# KiCad board Panel_R0.5.1_300x300_2layer_step1.kicad_pcb (continued)
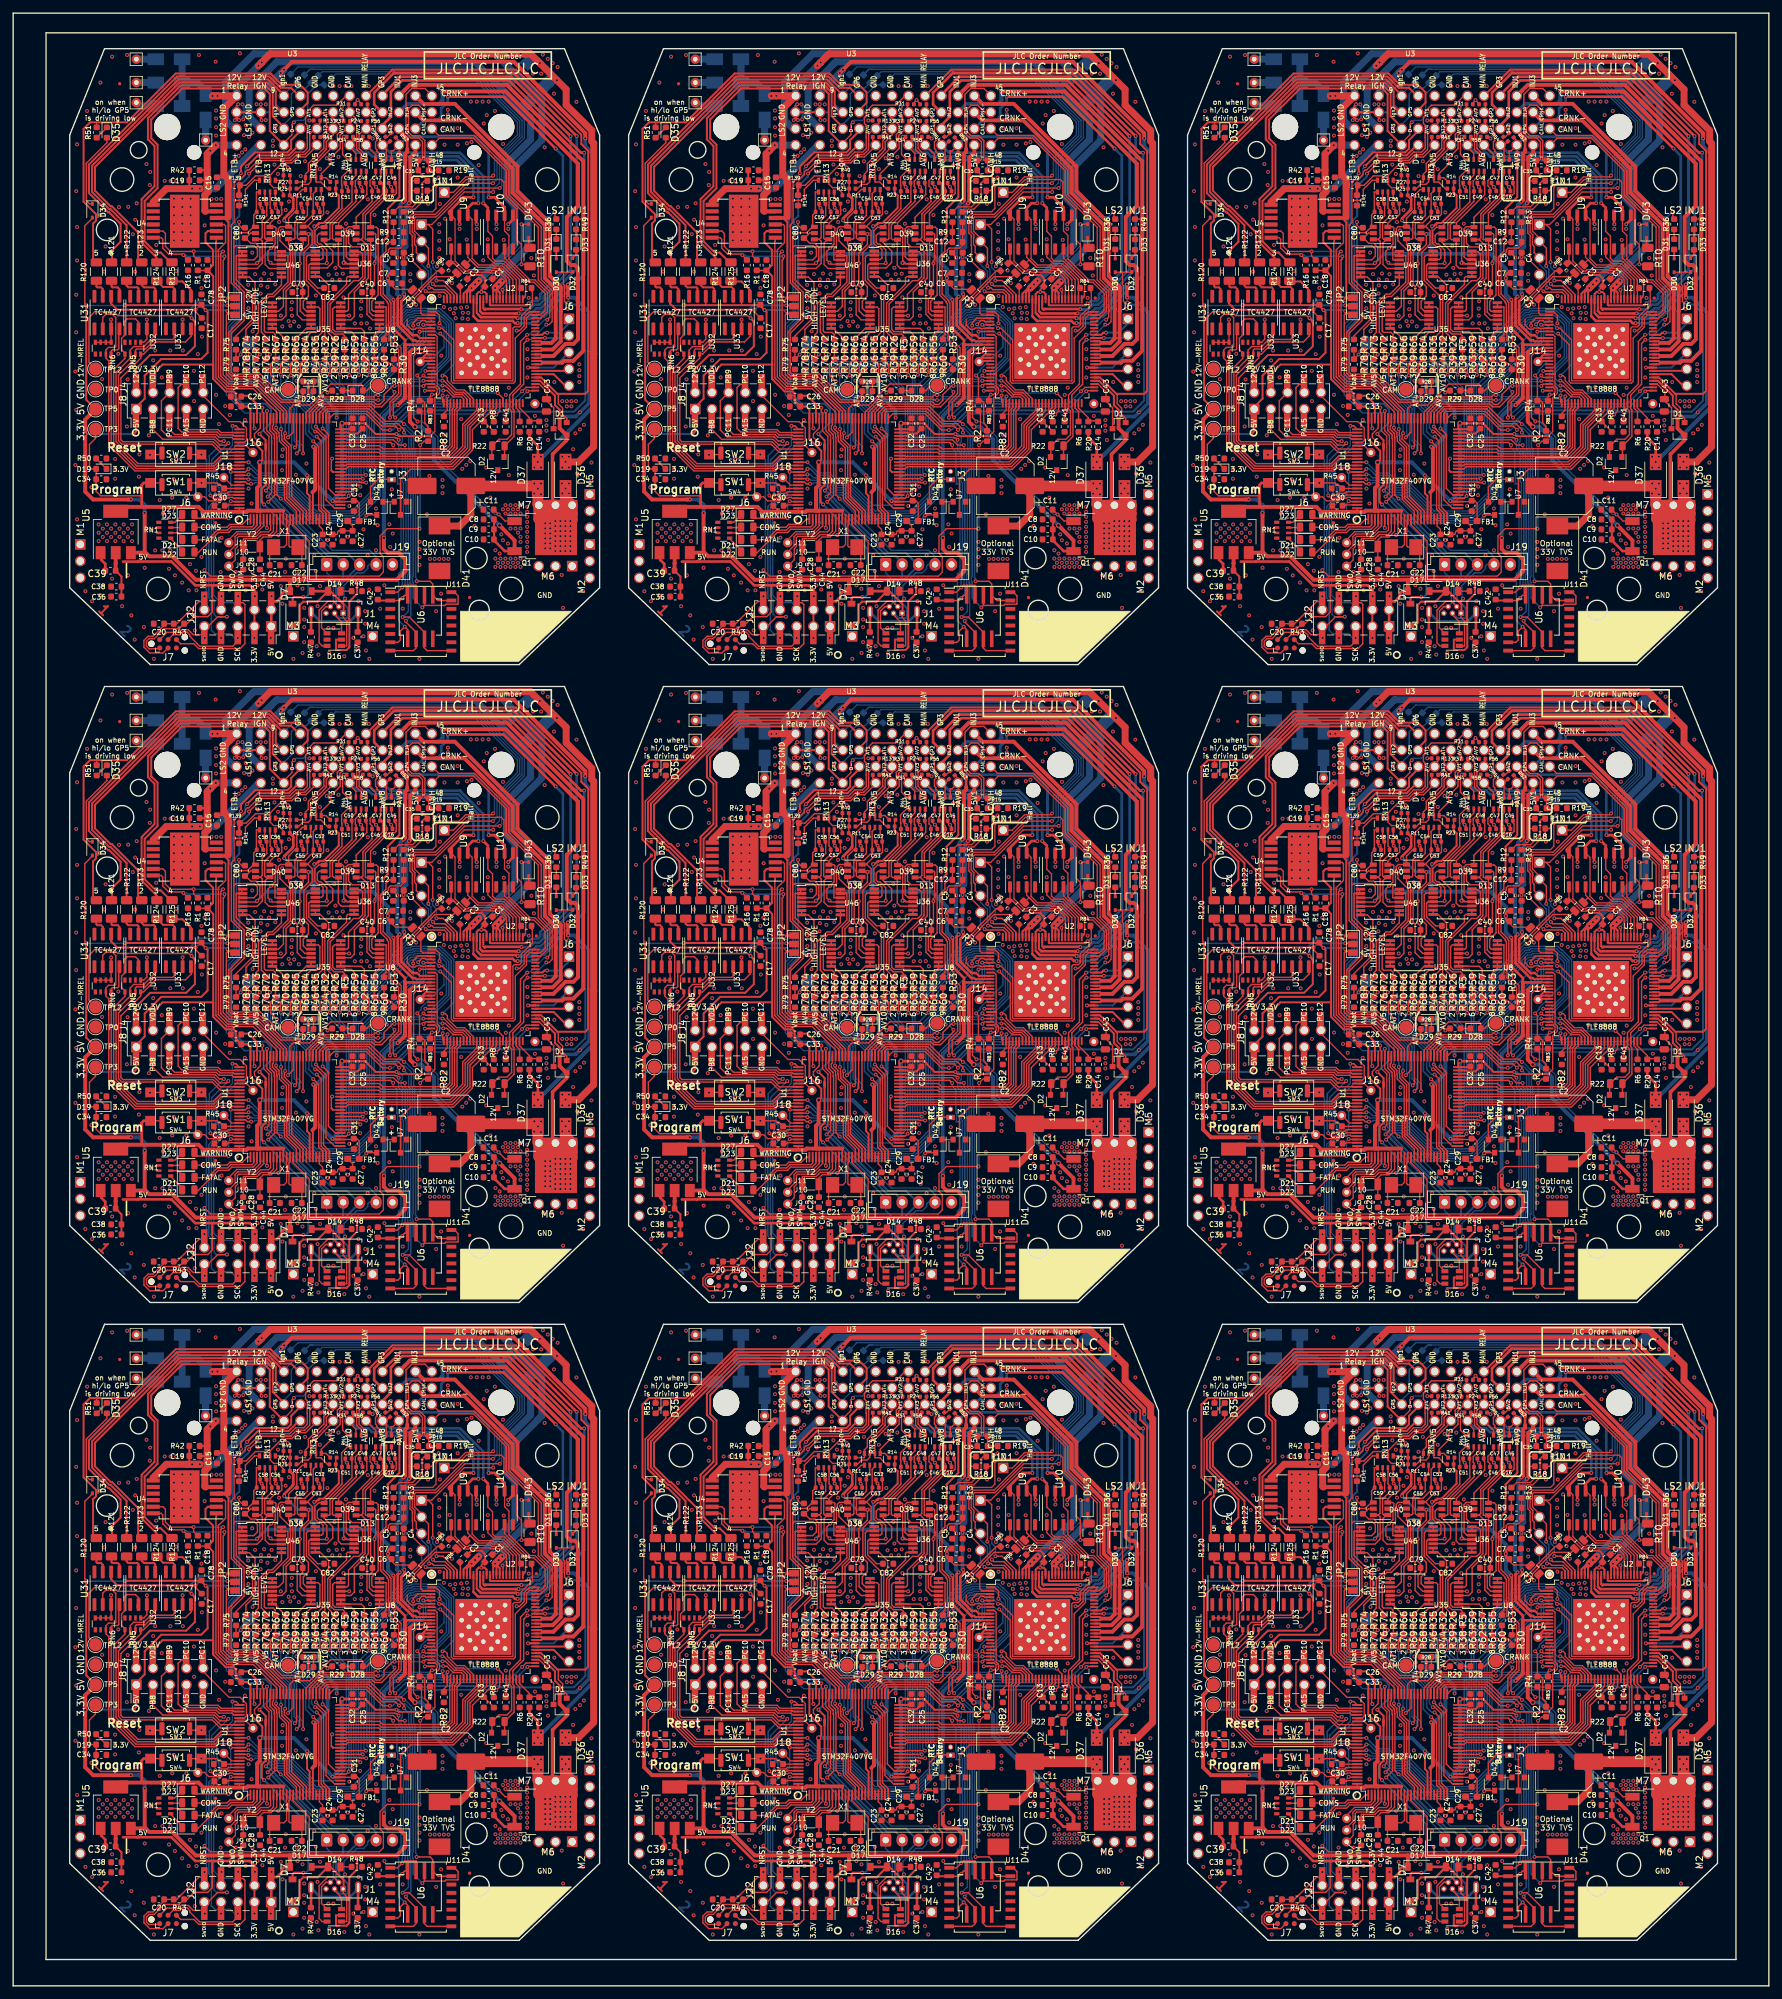
[diagram p0: board, top side]
## Routing (per net, layer and track width the routed paths; a pad name or vN(x,y) marks a point on that pad's centre or on a via; arc(x,y) is an arc through that point) (continued)
/MCU/USB_VBUS: length 546.2
  Top w0.203: v1(135.48,210.95) 135.18,210.66 135.18,210.16 135.25,210.09 ; v1(220.48,210.95) 220.18,210.66 220.18,210.16 220.25,210.09 ; v1(135.48,113.96) 135.18,113.66 135.18,113.16 135.25,113.09 ; v1(50.48,113.96) 50.18,113.66 50.18,113.16 50.25,113.09 ; v1(220.48,113.96) 220.18,113.66 220.18,113.16 220.25,113.09 ; v1(135.48,16.95) 135.18,16.66 135.18,16.16 135.25,16.09 ; 50.25,16.09 50.18,16.16 50.18,16.66 v1(50.48,16.95) ; v1(220.48,16.95) 220.18,16.66 220.18,16.16 220.25,16.09 ; v1(50.48,210.95) 50.18,210.66 50.18,210.16 50.25,210.09
  Top w0.216: J1#2.1 135.18,208.11 135.72,207.57 135.72,203.83 135.68,203.78 D16#2.4 ; NT1#2.2 125.07,235.48 125.13,235.42 125.13,226.73 v1(125.69,226.17) ; J1#3.1 220.18,208.11 220.72,207.57 220.72,203.83 220.68,203.78 D16#3.4 ; v1(210.69,226.17) 210.13,226.73 210.13,235.42 210.07,235.48 NT1#3.2 ; J1#6.1 135.18,111.11 135.72,110.57 135.72,106.83 135.68,106.78 D16#5.4 ; v1(125.69,129.17) 125.13,129.73 125.13,138.42 125.07,138.48 NT1#5.2 ; J1#4.1 50.18,111.11 50.72,110.57 50.72,106.83 50.68,106.78 D16#6.4 ; NT1#6.2 40.07,138.48 40.13,138.42 40.13,129.73 v1(40.69,129.17) ; J1#5.1 220.18,111.11 220.72,110.57 220.72,106.83 220.68,106.78 D16#4.4 ; NT1#4.2 210.07,138.48 210.13,138.42 210.13,129.73 v1(210.69,129.17) ; J1#9.1 135.18,14.11 135.72,13.57 135.72,9.83 135.68,9.78 D16#8.4 ; NT1#8.2 125.07,41.48 125.13,41.42 125.13,32.73 v1(125.69,32.17) ; J1#7.1 50.18,14.11 50.72,13.57 50.72,9.83 50.68,9.78 D16#9.4 ; v1(40.69,32.17) 40.13,32.73 40.13,41.42 40.07,41.48 NT1#9.2 ; D16#7.4 220.68,9.78 220.72,9.83 220.72,13.57 220.18,14.11 J1#8.1 ; NT1#7.2 210.07,41.48 210.13,41.42 210.13,32.73 v1(210.69,32.17) ; NT1.2 40.07,235.48 40.13,235.42 40.13,226.73 v1(40.69,226.17) ; D16.4 50.68,203.78 50.72,203.83 50.72,207.57 50.18,208.11 J1.1
  Top w0.305: 127.5,206.95 128.25,206.95 128.6,207.3 128.6,210 129.1,210.5 131.3,210.5 D14#2.2 133.25,212.1 135.25,210.09 135.25,208.82 J1#2.1 ; J1#3.1 220.25,208.82 220.25,210.09 218.25,212.1 D14#3.2 216.3,210.5 214.1,210.5 213.6,210 213.6,207.3 213.25,206.95 212.5,206.95 ; J1#6.1 135.25,111.82 135.25,113.09 133.25,115.1 D14#5.2 131.3,113.5 129.1,113.5 128.6,113 128.6,110.3 128.25,109.95 127.5,109.95 ; 42.5,109.95 43.25,109.95 43.6,110.3 43.6,113 44.1,113.5 46.3,113.5 D14#6.2 48.25,115.1 50.25,113.09 50.25,111.82 J1#4.1 ; 212.5,109.95 213.25,109.95 213.6,110.3 213.6,113 214.1,113.5 216.3,113.5 D14#4.2 218.25,115.1 220.25,113.09 220.25,111.82 J1#5.1 ; 127.5,12.95 128.25,12.95 128.6,13.3 128.6,16 129.1,16.5 131.3,16.5 D14#8.2 133.25,18.1 135.25,16.09 135.25,14.82 J1#9.1 ; 42.5,12.95 43.25,12.95 43.6,13.3 43.6,16 44.1,16.5 46.3,16.5 D14#9.2 48.25,18.1 50.25,16.09 50.25,14.82 J1#7.1 ; J1#8.1 220.25,14.82 220.25,16.09 218.25,18.1 D14#7.2 216.3,16.5 214.1,16.5 213.6,16 213.6,13.3 213.25,12.95 212.5,12.95 ; 42.5,206.95 43.25,206.95 43.6,207.3 43.6,210 44.1,210.5 46.3,210.5 D14.2 48.25,212.1 50.25,210.09 50.25,208.82 J1.1
  Top w0.406: D14#2.2 D17#2.2 ; D14#3.2 D17#3.2 ; D14#5.2 D17#6.2 ; D14#6.2 D17#4.2 ; D14#4.2 D17#5.2 ; D14#8.2 D17#9.2 ; D14#9.2 D17#7.2 ; D14#7.2 D17#8.2 ; D14.2 D17.2
  Bottom w0.203: 135.32,212.1 135.32,211.12 v1(135.48,210.95) ; 220.32,212.1 220.32,211.12 v1(220.48,210.95) ; 135.32,115.1 135.32,114.12 v1(135.48,113.96) ; 50.32,115.1 50.32,114.12 v1(50.48,113.96) ; 220.32,115.1 220.32,114.12 v1(220.48,113.96) ; 135.32,18.1 135.32,17.12 v1(135.48,16.95) ; 50.32,18.1 50.32,17.12 v1(50.48,16.95) ; 220.32,18.1 220.32,17.12 v1(220.48,16.95) ; v1(50.48,210.95) 50.32,211.12 50.32,212.1
  Bottom w0.216: v1(125.69,226.17) 133.54,218.32 139.22,218.32 140.19,217.35 J19#2.4 139.17,216.16 138.91,215.91 138.91,215.53 138.28,214.89 137.26,214.89 135.32,212.95 135.32,212.1 ; v1(210.69,226.17) 218.54,218.32 224.22,218.32 225.19,217.35 J19#3.4 224.17,216.16 223.91,215.91 223.91,215.53 223.28,214.89 222.26,214.89 220.32,212.95 220.32,212.1 ; v1(125.69,129.17) 133.54,121.32 139.22,121.32 140.19,120.35 J19#6.4 139.17,119.16 138.91,118.91 138.91,118.53 138.28,117.89 137.26,117.89 135.32,115.95 135.32,115.1 ; v1(40.69,129.17) 48.54,121.32 54.22,121.32 55.19,120.35 J19#4.4 54.17,119.16 53.91,118.91 53.91,118.53 53.28,117.89 52.26,117.89 50.32,115.95 50.32,115.1 ; 220.32,115.1 220.32,115.95 222.26,117.89 223.28,117.89 223.91,118.53 223.91,118.91 224.17,119.16 J19#5.4 225.19,120.35 224.22,121.32 218.54,121.32 v1(210.69,129.17) ; v1(125.69,32.17) 133.54,24.32 139.22,24.32 140.19,23.35 J19#9.4 139.17,22.16 138.91,21.91 138.91,21.53 138.28,20.89 137.26,20.89 135.32,18.95 135.32,18.1 ; v1(40.69,32.17) 48.54,24.32 54.22,24.32 55.19,23.35 J19#7.4 54.17,22.16 53.91,21.91 53.91,21.53 53.28,20.89 52.26,20.89 50.32,18.95 50.32,18.1 ; v1(210.69,32.17) 218.54,24.32 224.22,24.32 225.19,23.35 J19#8.4 224.17,22.16 223.91,21.91 223.91,21.53 223.28,20.89 222.26,20.89 220.32,18.95 220.32,18.1 ; v1(40.69,226.17) 48.54,218.32 54.22,218.32 55.19,217.35 J19.4 54.17,216.16 53.91,215.91 53.91,215.53 53.28,214.89 52.26,214.89 50.32,212.95 50.32,212.1
/MCU/Vrtc: length 52.7
  Top w0.216: D42#2.2 139.35,227.95 140.52,229.12 142.47,229.12 ; D42#3.2 224.35,227.95 225.52,229.12 227.47,229.12 ; D42#5.2 224.35,130.95 225.52,132.12 227.47,132.12 ; D42#4.2 54.35,130.95 55.52,132.12 57.47,132.12 ; D42#6.2 139.35,130.95 140.52,132.12 142.47,132.12 ; 57.47,35.12 55.52,35.12 54.35,33.95 D42#7.2 ; 142.47,35.12 140.52,35.12 139.35,33.95 D42#9.2 ; D42#8.2 224.35,33.95 225.52,35.12 227.47,35.12 ; D42.2 54.35,227.95 55.52,229.12 57.47,229.12
/MCU/Vrtcc: length 256.3
  Top w0.216: v1(138.7,223.61) 138.79,223.7 D42#2.3 ; U1#2.6 123.59,221.71 v1(123.6,221.7) ; v1(208.6,221.7) 208.59,221.71 U1#3.6 ; v1(223.7,223.61) 223.79,223.7 D42#3.3 ; v1(208.6,124.7) 208.59,124.71 U1#5.6 ; v1(223.7,126.61) 223.79,126.7 D42#5.3 ; v1(53.7,126.61) 53.79,126.7 D42#4.3 ; U1#4.6 38.59,124.71 v1(38.6,124.7) ; v1(123.6,124.7) 123.59,124.71 U1#6.6 ; v1(138.7,126.61) 138.79,126.7 D42#6.3 ; v1(38.6,27.7) 38.59,27.71 U1#7.6 ; v1(53.7,29.61) 53.79,29.7 D42#7.3 ; v1(138.7,29.61) 138.79,29.7 D42#9.3 ; v1(123.6,27.7) 123.59,27.71 U1#9.6 ; v1(208.6,27.7) 208.59,27.71 U1#8.6 ; D42#8.3 223.79,29.7 v1(223.7,29.61) ; D42.3 53.79,223.7 v1(53.7,223.61) ; U1.6 38.59,221.71 v1(38.6,221.7)
  Bottom w0.216: v1(138.7,223.61) 137.53,222.45 130.33,222.45 126.05,226.73 124.9,226.73 123.53,228.1 123,228.1 122.6,227.7 122.6,222.7 v1(123.6,221.7) ; v1(223.7,223.61) 222.53,222.45 215.33,222.45 211.05,226.73 209.9,226.73 208.53,228.1 208,228.1 207.6,227.7 207.6,222.7 v1(208.6,221.7) ; v1(208.6,124.7) 207.6,125.7 207.6,130.7 208,131.1 208.53,131.1 209.9,129.73 211.05,129.73 215.33,125.45 222.53,125.45 v1(223.7,126.61) ; v1(53.7,126.61) 52.53,125.45 45.33,125.45 41.05,129.73 39.9,129.73 38.53,131.1 38,131.1 37.6,130.7 37.6,125.7 v1(38.6,124.7) ; v1(138.7,126.61) 137.53,125.45 130.33,125.45 126.05,129.73 124.9,129.73 123.53,131.1 123,131.1 122.6,130.7 122.6,125.7 v1(123.6,124.7) ; v1(38.6,27.7) 37.6,28.7 37.6,33.7 38,34.1 38.53,34.1 39.9,32.73 41.05,32.73 45.33,28.45 52.53,28.45 v1(53.7,29.61) ; v1(138.7,29.61) 137.53,28.45 130.33,28.45 126.05,32.73 124.9,32.73 123.53,34.1 123,34.1 122.6,33.7 122.6,28.7 v1(123.6,27.7) ; v1(208.6,27.7) 207.6,28.7 207.6,33.7 208,34.1 208.53,34.1 209.9,32.73 211.05,32.73 215.33,28.45 222.53,28.45 v1(223.7,29.61) ; v1(53.7,223.61) 52.53,222.45 45.33,222.45 41.05,226.73 39.9,226.73 38.53,228.1 38,228.1 37.6,227.7 37.6,222.7 v1(38.6,221.7)
/PA15: length 90.9
  Top w0.216: U1#2.77 116.63,236.22 116.18,236.66 111.36,236.66 111.3,236.71 J4#2.7 ; U1#3.77 201.63,236.22 201.18,236.66 196.36,236.66 196.3,236.71 J4#3.7 ; U1#5.77 201.63,139.22 201.18,139.66 196.36,139.66 196.3,139.71 J4#5.7 ; U1#4.77 31.63,139.22 31.18,139.66 26.36,139.66 26.3,139.71 J4#4.7 ; U1#6.77 116.63,139.22 116.18,139.66 111.36,139.66 111.3,139.71 J4#6.7 ; J4#7.7 26.3,42.71 26.36,42.66 31.18,42.66 31.63,42.22 U1#7.77 ; U1#9.77 116.63,42.22 116.18,42.66 111.36,42.66 111.3,42.71 J4#9.7 ; U1#8.77 201.63,42.22 201.18,42.66 196.36,42.66 196.3,42.71 J4#8.7 ; J4.7 26.3,236.71 26.36,236.66 31.18,236.66 31.63,236.22 U1.77
/PB8: length 246.6
  Top w0.216: J4#2.3 106.22,236.71 107.75,235.19 115.57,235.19 116.45,234.3 117.43,234.3 v1(117.73,234.6) ; v1(115.75,226.75) 116.17,226.75 116.4,226.98 117.51,226.98 117.74,227.22 U1#2.95 ; J4#3.3 191.22,236.71 192.75,235.19 200.57,235.19 201.45,234.3 202.43,234.3 v1(202.73,234.6) ; U1#3.95 202.74,227.22 202.51,226.98 201.4,226.98 201.17,226.75 v1(200.75,226.75) ; J4#5.3 191.22,139.71 192.75,138.19 200.57,138.19 201.45,137.3 202.43,137.3 v1(202.73,137.6) ; v1(200.75,129.75) 201.17,129.75 201.4,129.98 202.51,129.98 202.74,130.22 U1#5.95 ; J4#4.3 21.22,139.71 22.75,138.19 30.57,138.19 31.45,137.3 32.43,137.3 v1(32.73,137.6) ; v1(30.75,129.75) 31.17,129.75 31.4,129.98 32.51,129.98 32.74,130.22 U1#4.95 ; J4#6.3 106.22,139.71 107.75,138.19 115.57,138.19 116.45,137.3 117.43,137.3 v1(117.73,137.6) ; U1#6.95 117.74,130.22 117.51,129.98 116.4,129.98 116.17,129.75 v1(115.75,129.75) ; J4#7.3 21.22,42.71 22.75,41.19 30.57,41.19 31.45,40.3 32.43,40.3 v1(32.73,40.6) ; U1#7.95 32.74,33.22 32.51,32.98 31.4,32.98 31.17,32.75 v1(30.75,32.75) ; J4#9.3 106.22,42.71 107.75,41.19 115.57,41.19 116.45,40.3 117.43,40.3 v1(117.73,40.6) ; U1#9.95 117.74,33.22 117.51,32.98 116.4,32.98 116.17,32.75 v1(115.75,32.75) ; U1#8.95 202.74,33.22 202.51,32.98 201.4,32.98 201.17,32.75 v1(200.75,32.75) ; J4#8.3 191.22,42.71 192.75,41.19 200.57,41.19 201.45,40.3 202.43,40.3 v1(202.73,40.6) ; U1.95 32.74,227.22 32.51,226.98 31.4,226.98 31.17,226.75 v1(30.75,226.75) ; J4.3 21.22,236.71 22.75,235.19 30.57,235.19 31.45,234.3 32.43,234.3 v1(32.73,234.6)
  Bottom w0.216: v1(117.73,234.6) 115.19,232.07 115.19,227.74 115.75,227.18 v1(115.75,226.75) ; v1(200.75,226.75) 200.75,227.18 200.19,227.74 200.19,232.07 v1(202.73,234.6) ; v1(200.75,129.75) 200.75,130.18 200.19,130.74 200.19,135.07 v1(202.73,137.6) ; v1(32.73,137.6) 30.19,135.07 30.19,130.74 30.75,130.18 v1(30.75,129.75) ; v1(115.75,129.75) 115.75,130.18 115.19,130.74 115.19,135.07 v1(117.73,137.6) ; v1(30.75,32.75) 30.75,33.18 30.19,33.74 30.19,38.07 v1(32.73,40.6) ; v1(115.75,32.75) 115.75,33.18 115.19,33.74 115.19,38.07 v1(117.73,40.6) ; v1(200.75,32.75) 200.75,33.18 200.19,33.74 200.19,38.07 v1(202.73,40.6) ; v1(32.73,234.6) 30.19,232.07 30.19,227.74 30.75,227.18 v1(30.75,226.75)
/PB9: length 302.2
  Top w0.203: 108.81,242.32 108.76,242.37 J4#2.6 ; 193.81,242.32 193.76,242.37 J4#3.6 ; J4#5.6 193.76,145.37 193.81,145.32 ; 23.81,145.32 23.76,145.37 J4#4.6 ; 108.81,145.32 108.76,145.37 J4#6.6 ; J4#7.6 23.76,48.37 23.81,48.32 ; 108.81,48.32 108.76,48.37 J4#9.6 ; J4#8.6 193.76,48.37 193.81,48.32 ; 23.81,242.32 23.76,242.37 J4.6
  Top w0.216: U1#2.96 118.61,226.72 118.6,226.73 117.78,226.73 117.66,226.61 116.85,226.61 116.43,226.19 115.47,226.19 v1(115,226.66) ; 108.82,243.5 108.82,241.7 ; v1(117.04,234.92) 116.36,234.92 115.72,235.55 108.6,235.55 107.54,236.61 107.54,241.05 108.81,242.32 ; U1#3.96 203.61,226.72 203.6,226.73 202.78,226.73 202.66,226.61 201.85,226.61 201.43,226.19 200.47,226.19 v1(200,226.66) ; 193.81,242.32 192.54,241.05 192.54,236.61 193.6,235.55 200.72,235.55 201.36,234.92 v1(202.04,234.92) ; 193.82,243.5 193.82,241.7 ; U1#5.96 203.61,129.72 203.6,129.73 202.78,129.73 202.66,129.61 201.85,129.61 201.43,129.19 200.47,129.19 v1(200,129.66) ; 193.82,146.5 193.82,144.7 ; v1(202.04,137.92) 201.36,137.92 200.72,138.55 193.6,138.55 192.54,139.61 192.54,144.05 193.81,145.32 ; U1#4.96 33.61,129.72 33.6,129.73 32.78,129.73 32.66,129.61 31.85,129.61 31.43,129.19 30.47,129.19 v1(30,129.66) ; 23.82,146.5 23.82,144.7 ; v1(32.04,137.92) 31.36,137.92 30.72,138.55 23.6,138.55 22.54,139.61 22.54,144.05 23.81,145.32 ; U1#6.96 118.61,129.72 118.6,129.73 117.78,129.73 117.66,129.61 116.85,129.61 116.43,129.19 115.47,129.19 v1(115,129.66) ; 108.81,145.32 107.54,144.05 107.54,139.61 108.6,138.55 115.72,138.55 116.36,137.92 v1(117.04,137.92) ; 108.82,146.5 108.82,144.7 ; U1#7.96 33.61,32.72 33.6,32.73 32.78,32.73 32.66,32.61 31.85,32.61 31.43,32.19 30.47,32.19 v1(30,32.66) ; 23.81,48.32 22.54,47.05 22.54,42.61 23.6,41.55 30.72,41.55 31.36,40.92 v1(32.04,40.92) ; 23.82,49.5 23.82,47.7 ; U1#9.96 118.61,32.72 118.6,32.73 117.78,32.73 117.66,32.61 116.85,32.61 116.43,32.19 115.47,32.19 v1(115,32.66) ; 108.81,48.32 107.54,47.05 107.54,42.61 108.6,41.55 115.72,41.55 116.36,40.92 v1(117.04,40.92) ; 108.82,49.5 108.82,47.7 ; U1#8.96 203.61,32.72 203.6,32.73 202.78,32.73 202.66,32.61 201.85,32.61 201.43,32.19 200.47,32.19 v1(200,32.66) ; 193.82,49.5 193.82,47.7 ; v1(202.04,40.92) 201.36,40.92 200.72,41.55 193.6,41.55 192.54,42.61 192.54,47.05 193.81,48.32 ; 23.81,242.32 22.54,241.05 22.54,236.61 23.6,235.55 30.72,235.55 31.36,234.92 v1(32.04,234.92) ; U1.96 33.61,226.72 33.6,226.73 32.78,226.73 32.66,226.61 31.85,226.61 31.43,226.19 30.47,226.19 v1(30,226.66) ; 23.82,243.5 23.82,241.7
  Bottom w0.216: v1(117.04,234.92) 114.82,232.7 114.82,227.26 115,227.08 v1(115,226.66) ; v1(200,226.66) 200,227.08 199.82,227.26 199.82,232.7 v1(202.04,234.92) ; v1(200,129.66) 200,130.08 199.82,130.26 199.82,135.7 v1(202.04,137.92) ; v1(32.04,137.92) 29.82,135.7 29.82,130.26 30,130.08 v1(30,129.66) ; v1(115,129.66) 115,130.08 114.82,130.26 114.82,135.7 v1(117.04,137.92) ; v1(30,32.66) 30,33.08 29.82,33.26 29.82,38.7 v1(32.04,40.92) ; v1(115,32.66) 115,33.08 114.82,33.26 114.82,38.7 v1(117.04,40.92) ; v1(200,32.66) 200,33.08 199.82,33.26 199.82,38.7 v1(202.04,40.92) ; v1(30,226.66) 30,227.08 29.82,227.26 29.82,232.7 v1(32.04,234.92)
/PC10: length 156.8
  Top w0.216: U1#2.78 118.61,235.72 118.48,235.85 116.47,235.85 116.03,236.29 110.66,236.29 110.08,236.86 110.08,243.05 110.59,243.55 J4#2.8 ; U1#3.78 203.61,235.72 203.48,235.85 201.47,235.85 201.03,236.29 195.66,236.29 195.08,236.86 195.08,243.05 195.59,243.55 J4#3.8 ; U1#5.78 203.61,138.72 203.48,138.85 201.47,138.85 201.03,139.29 195.66,139.29 195.08,139.86 195.08,146.05 195.59,146.55 J4#5.8 ; U1#4.78 33.61,138.72 33.48,138.85 31.47,138.85 31.03,139.29 25.66,139.29 25.08,139.86 25.08,146.05 25.59,146.55 J4#4.8 ; U1#6.78 118.61,138.72 118.48,138.85 116.47,138.85 116.03,139.29 110.66,139.29 110.08,139.86 110.08,146.05 110.59,146.55 J4#6.8 ; U1#7.78 33.61,41.72 33.48,41.85 31.47,41.85 31.03,42.29 25.66,42.29 25.08,42.86 25.08,49.05 25.59,49.55 J4#7.8 ; U1#9.78 118.61,41.72 118.48,41.85 116.47,41.85 116.03,42.29 110.66,42.29 110.08,42.86 110.08,49.05 110.59,49.55 J4#9.8 ; U1#8.78 203.61,41.72 203.48,41.85 201.47,41.85 201.03,42.29 195.66,42.29 195.08,42.86 195.08,49.05 195.59,49.55 J4#8.8 ; U1.78 33.61,235.72 33.48,235.85 31.47,235.85 31.03,236.29 25.66,236.29 25.08,236.86 25.08,243.05 25.59,243.55 J4.8
/PC11: length 117.5
  Top w0.216: J4#2.5 108.76,236.71 109.55,235.92 115.88,235.92 116.32,235.48 118.28,235.48 118.54,235.22 U1#2.79 ; U1#3.79 203.54,235.22 203.28,235.48 201.32,235.48 200.88,235.92 194.55,235.92 193.76,236.71 J4#3.5 ; J4#5.5 193.76,139.71 194.55,138.92 200.88,138.92 201.32,138.48 203.28,138.48 203.54,138.22 U1#5.79 ; J4#4.5 23.76,139.71 24.55,138.92 30.88,138.92 31.32,138.48 33.28,138.48 33.54,138.22 U1#4.79 ; U1#6.79 118.54,138.22 118.28,138.48 116.32,138.48 115.88,138.92 109.55,138.92 108.76,139.71 J4#6.5 ; U1#7.79 33.54,41.22 33.28,41.48 31.32,41.48 30.88,41.92 24.55,41.92 23.76,42.71 J4#7.5 ; J4#9.5 108.76,42.71 109.55,41.92 115.88,41.92 116.32,41.48 118.28,41.48 118.54,41.22 U1#9.79 ; U1#8.79 203.54,41.22 203.28,41.48 201.32,41.48 200.88,41.92 194.55,41.92 193.76,42.71 J4#8.5 ; U1.79 33.54,235.22 33.28,235.48 31.32,235.48 30.88,235.92 24.55,235.92 23.76,236.71 J4.5
/PC12: length 121.1
  Top w0.203: J4#2.10 113.84,242.37 113.89,242.32 113.89,241.82 117.83,237.88 119.51,237.88 120.47,236.93 120.47,235 120.18,234.72 U1#2.80 ; J4#3.10 198.84,242.37 198.89,242.32 198.89,241.82 202.83,237.88 204.51,237.88 205.47,236.93 205.47,235 205.18,234.72 U1#3.80 ; U1#5.80 205.18,137.72 205.47,138 205.47,139.93 204.51,140.88 202.83,140.88 198.89,144.82 198.89,145.32 198.84,145.37 J4#5.10 ; J4#4.10 28.84,145.37 28.89,145.32 28.89,144.82 32.83,140.88 34.51,140.88 35.47,139.93 35.47,138 35.18,137.72 U1#4.80 ; J4#6.10 113.84,145.37 113.89,145.32 113.89,144.82 117.83,140.88 119.51,140.88 120.47,139.93 120.47,138 120.18,137.72 U1#6.80 ; J4#7.10 28.84,48.37 28.89,48.32 28.89,47.82 32.83,43.88 34.51,43.88 35.47,42.93 35.47,41 35.18,40.72 U1#7.80 ; J4#9.10 113.84,48.37 113.89,48.32 113.89,47.82 117.83,43.88 119.51,43.88 120.47,42.93 120.47,41 120.18,40.72 U1#9.80 ; U1#8.80 205.18,40.72 205.47,41 205.47,42.93 204.51,43.88 202.83,43.88 198.89,47.82 198.89,48.32 198.84,48.37 J4#8.10 ; U1.80 35.18,234.72 35.47,235 35.47,236.93 34.51,237.88 32.83,237.88 28.89,241.82 28.89,242.32 28.84,242.37 J4.10
/PD12: length 596.4
  Top w0.203: v1(150.4,242.62) 150.97,242.62 151.95,241.64 153.18,241.64 153.5,241.32 U2#2.32 ; v1(235.4,242.62) 235.97,242.62 236.95,241.64 238.18,241.64 238.5,241.32 U2#3.32 ; v1(235.4,145.62) 235.97,145.62 236.95,144.64 238.18,144.64 238.5,144.32 U2#5.32 ; v1(65.4,145.62) 65.97,145.62 66.95,144.64 68.18,144.64 68.5,144.32 U2#4.32 ; v1(150.4,145.62) 150.97,145.62 151.95,144.64 153.18,144.64 153.5,144.32 U2#6.32 ; U2#7.32 68.5,47.32 68.18,47.64 66.95,47.64 65.97,48.62 v1(65.4,48.62) ; v1(150.4,48.62) 150.97,48.62 151.95,47.64 153.18,47.64 153.5,47.32 U2#9.32 ; v1(235.4,48.62) 235.97,48.62 236.95,47.64 238.18,47.64 238.5,47.32 U2#8.32 ; U2.32 68.5,241.32 68.18,241.64 66.95,241.64 65.97,242.62 v1(65.4,242.62)
  Top w0.216: U1#2.59 129.09,233.05 v1(129.09,233.05) ; v1(214.09,233.05) 214.09,233.05 U1#3.59 ; v1(214.09,136.05) 214.09,136.05 U1#5.59 ; U1#4.59 44.09,136.05 v1(44.09,136.05) ; v1(129.09,136.05) 129.09,136.05 U1#6.59 ; v1(44.09,39.05) 44.09,39.05 U1#7.59 ; v1(129.09,39.05) 129.09,39.05 U1#9.59 ; v1(214.09,39.05) 214.09,39.05 U1#8.59 ; v1(44.09,233.05) 44.09,233.05 U1.59
  Bottom w0.203: 128.1,239.7 128.1,239.7 128.1,235.13 129.09,234.14 129.09,233.84 ; 214.09,233.84 214.09,234.14 213.1,235.13 213.1,239.7 213.1,239.7 ; 214.09,136.84 214.09,137.14 213.1,138.13 213.1,142.7 213.1,142.7 ; 43.1,142.7 43.1,142.7 43.1,138.13 44.09,137.14 44.09,136.84 ; 129.09,136.84 129.09,137.14 128.1,138.13 128.1,142.7 128.1,142.7 ; 43.1,45.7 43.1,45.7 43.1,41.13 44.09,40.14 44.09,39.84 ; 129.09,39.84 129.09,40.14 128.1,41.13 128.1,45.7 128.1,45.7 ; 214.09,39.84 214.09,40.14 213.1,41.13 213.1,45.7 213.1,45.7 ; 43.1,239.7 43.1,239.7 43.1,235.13 44.09,234.14 44.09,233.84
  Bottom w0.216: 128.1,239.7 128.1,240.03 124.53,243.6 124.53,245.1 125.7,246.28 138.17,246.28 144.46,252.56 144.46,252.94 145.29,253.77 145.87,253.77 146.1,253.99 149.41,253.99 150,253.4 150.11,253.4 150.88,252.63 150.88,247.76 148.67,245.54 148.67,243.93 149.98,242.62 v1(150.4,242.62) ; v1(129.09,233.05) 129.09,233.84 ; v1(235.4,242.62) 234.98,242.62 233.67,243.93 233.67,245.54 235.88,247.76 235.88,252.63 235.11,253.4 235,253.4 234.41,253.99 231.1,253.99 230.87,253.77 230.29,253.77 229.46,252.94 229.46,252.56 223.17,246.28 210.7,246.28 209.53,245.1 209.53,243.6 213.1,240.03 213.1,239.7 ; v1(214.09,233.05) 214.09,233.84 ; 213.1,142.7 213.1,143.03 209.53,146.6 209.53,148.1 210.7,149.28 223.17,149.28 229.46,155.56 229.46,155.94 230.29,156.77 230.87,156.77 231.1,156.99 234.41,156.99 235,156.4 235.11,156.4 235.88,155.63 235.88,150.76 233.67,148.54 233.67,146.93 234.98,145.62 v1(235.4,145.62) ; v1(214.09,136.05) 214.09,136.84 ; 43.1,142.7 43.1,143.03 39.53,146.6 39.53,148.1 40.7,149.28 53.17,149.28 59.46,155.56 59.46,155.94 60.29,156.77 60.87,156.77 61.1,156.99 64.41,156.99 65,156.4 65.11,156.4 65.88,155.63 65.88,150.76 63.67,148.54 63.67,146.93 64.98,145.62 v1(65.4,145.62) ; v1(44.09,136.05) 44.09,136.84 ; v1(150.4,145.62) 149.98,145.62 148.67,146.93 148.67,148.54 150.88,150.76 150.88,155.63 150.11,156.4 150,156.4 149.41,156.99 146.1,156.99 145.87,156.77 145.29,156.77 144.46,155.94 144.46,155.56 138.17,149.28 125.7,149.28 124.53,148.1 124.53,146.6 128.1,143.03 128.1,142.7 ; v1(129.09,136.05) 129.09,136.84 ; v1(65.4,48.62) 64.98,48.62 63.67,49.93 63.67,51.54 65.88,53.76 65.88,58.63 65.11,59.4 65,59.4 64.41,59.99 61.1,59.99 60.87,59.77 60.29,59.77 59.46,58.94 59.46,58.56 53.17,52.27 40.7,52.27 39.53,51.1 39.53,49.6 43.1,46.03 43.1,45.7 ; v1(44.09,39.05) 44.09,39.84 ; v1(150.4,48.62) 149.98,48.62 148.67,49.93 148.67,51.54 150.88,53.76 150.88,58.63 150.11,59.4 150,59.4 149.41,59.99 146.1,59.99 145.87,59.77 145.29,59.77 144.46,58.94 144.46,58.56 138.17,52.27 125.7,52.27 124.53,51.1 124.53,49.6 128.1,46.03 128.1,45.7 ; v1(129.09,39.05) 129.09,39.84 ; 213.1,45.7 213.1,46.03 209.53,49.6 209.53,51.1 210.7,52.27 223.17,52.27 229.46,58.56 229.46,58.94 230.29,59.77 230.87,59.77 231.1,59.99 234.41,59.99 235,59.4 235.11,59.4 235.88,58.63 235.88,53.76 233.67,51.54 233.67,49.93 234.98,48.62 v1(235.4,48.62) ; v1(214.09,39.05) 214.09,39.84 ; 43.1,239.7 43.1,240.03 39.53,243.6 39.53,245.1 40.7,246.28 53.17,246.28 59.46,252.56 59.46,252.94 60.29,253.77 60.87,253.77 61.1,253.99 64.41,253.99 65,253.4 65.11,253.4 65.88,252.63 65.88,247.76 63.67,245.54 63.67,243.93 64.98,242.62 v1(65.4,242.62) ; v1(44.09,233.05) 44.09,233.84
/PD13: length 608.3
  Top w0.203: v1(150.3,243.36) 150.73,243.36 152.09,241.99 153.34,241.99 154,241.33 U2#2.33 ; v1(235.3,243.36) 235.73,243.36 237.09,241.99 238.34,241.99 239,241.33 U2#3.33 ; U2#5.33 239,144.33 238.34,144.99 237.09,144.99 235.73,146.36 v1(235.3,146.36) ; v1(65.3,146.36) 65.73,146.36 67.09,144.99 68.34,144.99 69,144.33 U2#4.33 ; v1(150.3,146.36) 150.73,146.36 152.09,144.99 153.34,144.99 154,144.33 U2#6.33 ; U2#7.33 69,47.33 68.34,47.99 67.09,47.99 65.73,49.36 v1(65.3,49.36) ; v1(150.3,49.36) 150.73,49.36 152.09,47.99 153.34,47.99 154,47.33 U2#9.33 ; U2#8.33 239,47.33 238.34,47.99 237.09,47.99 235.73,49.36 v1(235.3,49.36) ; v1(65.3,243.36) 65.73,243.36 67.09,241.99 68.34,241.99 69,241.33 U2.33
  Top w0.216: v1(128.12,233.05) 128.59,233.52 U1#2.60 ; U1#3.60 213.59,233.52 v1(213.12,233.05) ; U1#5.60 213.59,136.52 v1(213.12,136.05) ; v1(43.12,136.05) 43.59,136.52 U1#4.60 ; U1#6.60 128.59,136.52 v1(128.12,136.05) ; U1#7.60 43.59,39.52 v1(43.12,39.05) ; U1#9.60 128.59,39.52 v1(128.12,39.05) ; U1#8.60 213.59,39.52 v1(213.12,39.05) ; v1(43.12,233.05) 43.59,233.52 U1.60
  Bottom w0.203: 127.74,239.09 127.74,239.86 126.83,240.77 126.83,240.77 ; 212.74,239.09 212.74,239.86 211.83,240.77 211.83,240.77 ; 211.83,143.77 211.83,143.77 212.74,142.86 212.74,142.09 ; 42.74,142.09 42.74,142.86 41.83,143.77 41.83,143.77 ; 127.74,142.09 127.74,142.86 126.83,143.77 126.83,143.77 ; 42.74,45.09 42.74,45.86 41.83,46.77 41.83,46.77 ; 127.74,45.09 127.74,45.86 126.83,46.77 126.83,46.77 ; 212.74,45.09 212.74,45.86 211.83,46.77 211.83,46.77 ; 41.83,240.77 41.83,240.77 42.74,239.86 42.74,239.09
  Bottom w0.216: 126.83,240.77 124.16,243.45 124.16,245.28 125.52,246.64 138.02,246.64 144.09,252.72 144.09,253.09 145.14,254.14 145.72,254.14 145.94,254.36 149.56,254.36 150.16,253.77 150.26,253.77 151.25,252.78 151.25,247.6 149.13,245.48 149.13,244.1 149.87,243.36 v1(150.3,243.36) ; 127.74,239.09 127.74,234.96 128.42,234.28 128.42,233.35 v1(128.12,233.05) ; 211.83,240.77 209.16,243.45 209.16,245.28 210.52,246.64 223.02,246.64 229.09,252.72 229.09,253.09 230.14,254.14 230.72,254.14 230.94,254.36 234.56,254.36 235.16,253.77 235.26,253.77 236.25,252.78 236.25,247.6 234.13,245.48 234.13,244.1 234.87,243.36 v1(235.3,243.36) ; 212.74,239.09 212.74,234.96 213.42,234.28 213.42,233.35 v1(213.12,233.05) ; 211.83,143.77 209.16,146.45 209.16,148.28 210.52,149.64 223.02,149.64 229.09,155.72 229.09,156.09 230.14,157.14 230.72,157.14 230.94,157.36 234.56,157.36 235.16,156.77 235.26,156.77 236.25,155.78 236.25,150.6 234.13,148.48 234.13,147.1 234.87,146.36 v1(235.3,146.36) ; 212.74,142.09 212.74,137.96 213.42,137.28 213.42,136.35 v1(213.12,136.05) ; 41.83,143.77 39.16,146.45 39.16,148.28 40.52,149.64 53.02,149.64 59.09,155.72 59.09,156.09 60.14,157.14 60.72,157.14 60.94,157.36 64.56,157.36 65.16,156.77 65.26,156.77 66.25,155.78 66.25,150.6 64.13,148.48 64.13,147.1 64.87,146.36 v1(65.3,146.36) ; 42.74,142.09 42.74,137.96 43.42,137.28 43.42,136.35 v1(43.12,136.05) ; 126.83,143.77 124.16,146.45 124.16,148.28 125.52,149.64 138.02,149.64 144.09,155.72 144.09,156.09 145.14,157.14 145.72,157.14 145.94,157.36 149.56,157.36 150.16,156.77 150.26,156.77 151.25,155.78 151.25,150.6 149.13,148.48 149.13,147.1 149.87,146.36 v1(150.3,146.36) ; 127.74,142.09 127.74,137.96 128.42,137.28 128.42,136.35 v1(128.12,136.05) ; 41.83,46.77 39.16,49.45 39.16,51.28 40.52,52.64 53.02,52.64 59.09,58.72 59.09,59.09 60.14,60.14 60.72,60.14 60.94,60.36 64.56,60.36 65.16,59.77 65.26,59.77 66.25,58.78 66.25,53.6 64.13,51.48 64.13,50.1 64.87,49.36 v1(65.3,49.36) ; 42.74,45.09 42.74,40.96 43.42,40.28 43.42,39.35 v1(43.12,39.05) ; 126.83,46.77 124.16,49.45 124.16,51.28 125.52,52.64 138.02,52.64 144.09,58.72 144.09,59.09 145.14,60.14 145.72,60.14 145.94,60.36 149.56,60.36 150.16,59.77 150.26,59.77 151.25,58.78 151.25,53.6 149.13,51.48 149.13,50.1 149.87,49.36 v1(150.3,49.36) ; 127.74,45.09 127.74,40.96 128.42,40.28 128.42,39.35 v1(128.12,39.05) ; 211.83,46.77 209.16,49.45 209.16,51.28 210.52,52.64 223.02,52.64 229.09,58.72 229.09,59.09 230.14,60.14 230.72,60.14 230.94,60.36 234.56,60.36 235.16,59.77 235.26,59.77 236.25,58.78 236.25,53.6 234.13,51.48 234.13,50.1 234.87,49.36 v1(235.3,49.36) ; 212.74,45.09 212.74,40.96 213.42,40.28 213.42,39.35 v1(213.12,39.05) ; v1(43.12,233.05) 43.42,233.35 43.42,234.28 42.74,234.96 42.74,239.09 ; v1(65.3,243.36) 64.87,243.36 64.13,244.1 64.13,245.48 66.25,247.6 66.25,252.78 65.26,253.77 65.16,253.77 64.56,254.36 60.94,254.36 60.72,254.14 60.14,254.14 59.09,253.09 59.09,252.72 53.02,246.64 40.52,246.64 39.16,245.28 39.16,243.45 41.83,240.77